# Altium PCB top_INA2180.PcbDoc (part 3 of 5)
Units mil, origin at the board's own origin, x right, y up, seen from the top; angles counter-clockwise.
Board outline 10480 x 5830 mil, 2 copper layers (Top Layer, Bottom Layer); 635 components, 633 nets, 1722 pads, 292 vias.
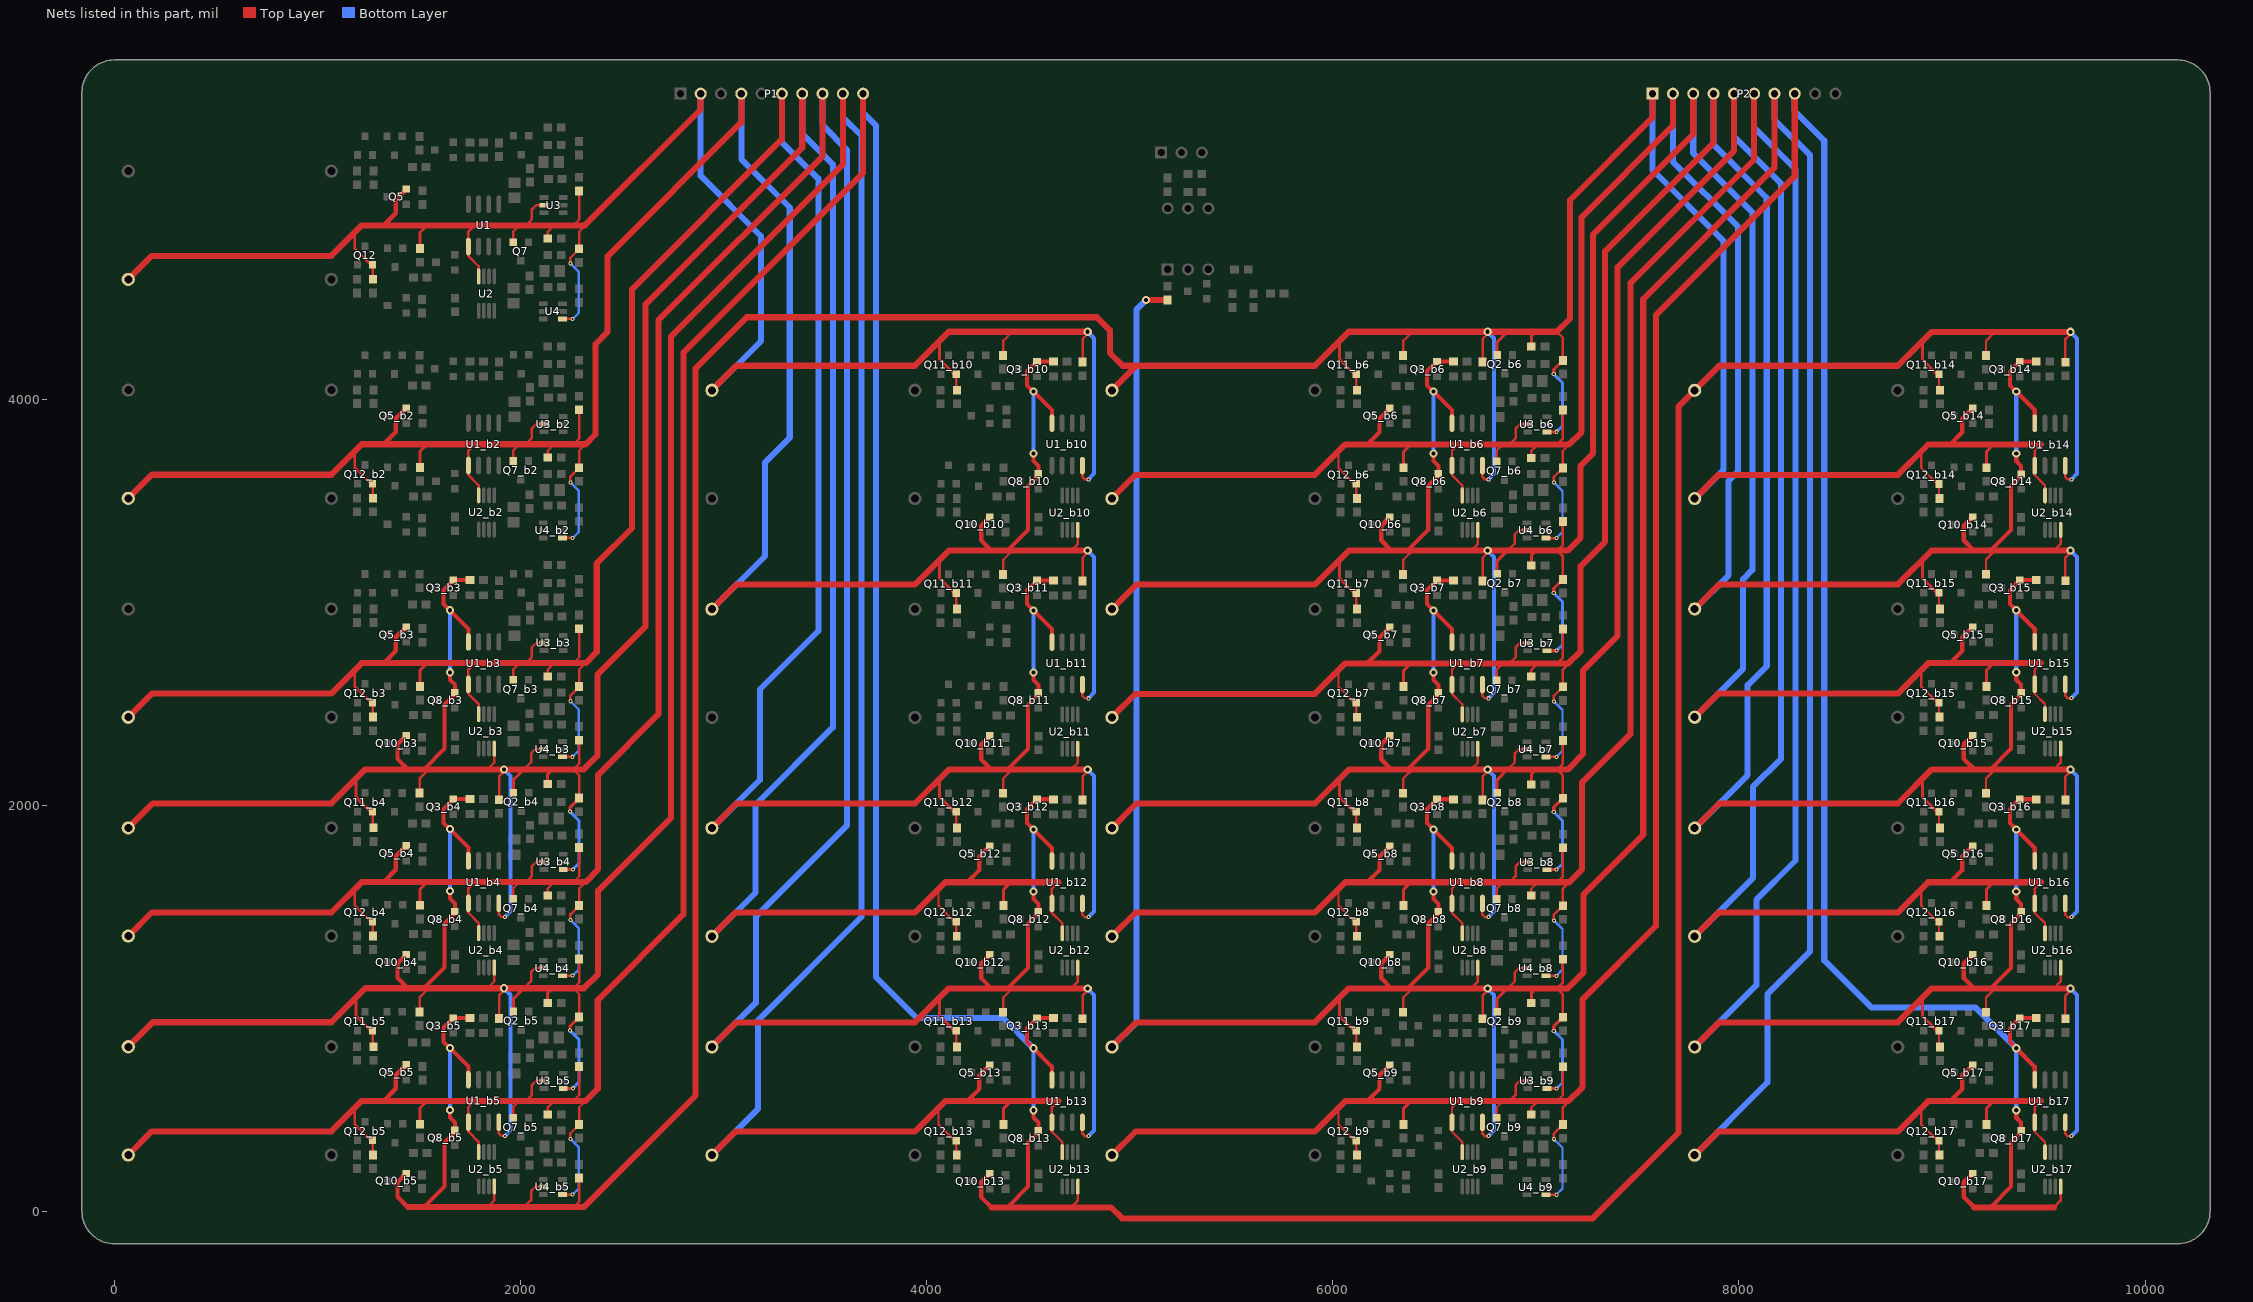
[diagram p3: the nets of this part, all layers, seen from the top]

## Via types
v1: diameter 20, hole 10, Top Layer to Bottom Layer, 235 vias
v2: diameter 40, hole 20, Top Layer to Bottom Layer, 53 vias
v3: diameter 125.98, hole 125.98, Top Layer to Bottom Layer, 4 vias

## Nets (pads, with @x,y where several pads share a name; then routed paths per layer and width w, separated by ;. In a path a pad name is that pad's centre, name@x,y a point inside that pad or via, vN(x,y) a via of type N, cw(c..) or ccw(c..) an arc to the next point about the centre after c; other vN are vias at no path point) (continued)
IN_A3: P1.7 Q2_b4.2 Q3_b3.2 Q5_b12.2 Q8_b3.2 Q10_b3.2 Q11_b4.2 Q12_b12.2 R1_b4.2 R6_b4.2 R7_b4.2 R8_b4.2 R9_b4.2 R12_b3.1 R14_b12.2 R19_b12.2 R24_b3.1 R40_b4.1 R42_b12.1 U1_b3.4 U1_b4.8 U1_b12.5 U2_b3.4 U2_b12.8 U3_b4.4 U4_b3.2 | length 18305
  Top Layer w12: Q11_b4.2@1271.4,1968 1271.4,1893.32 R40_b4.1@1276,1888.72 ; R6_b4.2@1502.87,2059.46 1502.87,2131.79 1547.54,2176.46 1547.61,2176.54 ; 1836.8,2176.46 1836.87,2176.54 1870.25,2209.92 U2_b3.4@1870.25,2278.89 ; U1_b4.8@1892.87,1517.05 1892.87,1461.54 1904.87,1449.54 v1(1922.87,1449.54) ; R9_b4.2@1893.87,2027 1893.87,2141.54 1918.87,2166.54 1918.87,2176.46 v2(1918.87,2176.54) ; 2017.01,2176.46 2017.08,2176.54 2052.01,2211.46 2052.01,2255.93 2072.01,2275.93 U4_b3.2@2111.76,2275.93 ; 2259.25,2176.54 2259.32,2176.46 2288.87,2146.92 R8_b4.2@2288.87,2035 R8_b4.2@2288.4,2034.54 ; 2260.18,2176.46 2288.87,2205.15 R24_b3.1@2288.87,2320.07 ; 4057.99,1585.11 4057.99,1505.33 4137.25,1426.07 Q12_b12.2@4145.39,1426.07 4145.39,1357.4 R42_b12.1@4147.99,1354.8 ; 4647.86,1620.61 4616.86,1589.61 U1_b12.5@4616.86,1516.12 4616.86,1469.61 4667.47,1419 U2_b12.8@4667.47,1369.26
  Top Layer w15: 1190,2125.79 1190,2039.82 Q11_b4.2@1261.82,1968 ; Q2_b4.2@1965.61,2062.19 1965.61,2126.52 2015.55,2176.46 2015.62,2176.54 2016.01,2176.54 ; R7_b4.2@2133.54,2103.93 2133.54,2153.07 2154.01,2173.54 ; U3_b4.4@2210.25,1683.52 2257.61,1683.52 v1(2258.01,1683.93) ; v1(2244.01,1967.93) 2244.01,1990.14 R8_b4.2@2288.4,2034.54 ; R19_b12.2@4378.86,1506.07 4378.86,1585.61 4413.86,1620.61 4417.86,1620.61
  Top Layer w20: Q11_b4.2@1261.82,1968 Q11_b4.2@1271.4,1968 ; 1526.87,2179.07 1625.87,2278.07 1625.87,2495.09 1676.13,2545.35 Q8_b3.2@1676.13,2554.94 1676.13,2593.28 1651.73,2617.67 v2(1651.73,2654.54) ; U1_b3.4@1742.87,2804.02 1742.87,2868.8 v2(1651.73,2959.94) 1620.73,2990.94 1620.73,3060.08 Q3_b3.2@1668.99,3108.34 R12_b3.1@1749.87,3108.34
  Top Layer w22: Q10_b3.2@1437.13,2342.94 1393.87,2299.68 1393.87,2227.54 1444.87,2176.54 1444.94,2176.46 ; 4199.86,1620.61 4259.86,1680.61 4259.86,1747.75 Q5_b12.2@4311.12,1799.01
  Top Layer w30: R1_b4.2@68,1888.26 189.02,2009.28 1068,2009.28 1235.25,2176.54 1444.87,2176.54 1547.61,2176.54 1836.87,2176.54 v2(1918.87,2176.54) ; 1444.94,2176.46 1547.54,2176.46 1836.8,2176.46 1918.87,2176.46 2015.55,2176.46 2017.01,2176.46 2259.32,2176.46 2260.18,2176.46 2312,2176.46 2378,2242.46 2378,2643.08 2615.99,2881.07 2615.99,4466.97 3386.99,5237.97 P1.7@3386.99,5504.07 ; v2@1928.87,2176.54 2015.62,2176.54 ; 2016.01,2176.54 2017.08,2176.54 2259.25,2176.54 ; R14_b12.2@2941.99,1354.33 3058.27,1470.61 3941.99,1470.61 4091.99,1620.61 4199.86,1620.61 4413.86,1620.61 ; 4417.86,1620.61 4647.86,1620.61
  Bottom Layer w15: v1(2244.01,1967.93) 2287.01,1924.93 2287.01,1712.93 v1(2258.01,1683.93)
  Bottom Layer w20: v2(1651.73,2654.54) v2(1651.73,2959.94) ; v2(1918.87,2176.54) 1950.87,2144.54 1950.87,1477.54 v1(1922.87,1449.54)
  Bottom Layer w30: R14_b12.2@2941.99,1354.33 3156.99,1569.33 3156.99,2003.07 3537.57,2383.65 3537.57,5155.65 3386.99,5306.23 P1.7@3386.99,5504.07
IN_A4: P1.9 Q2_b5.2 Q3_b4.2 Q5_b13.2 Q8_b4.2 Q10_b4.2 Q11_b5.2 Q12_b13.2 R1_b5.2 R6_b5.2 R7_b5.2 R8_b5.2 R9_b5.2 R12_b4.1 R14_b13.2 R19_b13.2 R24_b4.1 R40_b5.1 R42_b13.1 U1_b4.4 U1_b5.8 U1_b13.5 U2_b4.4 U2_b13.8 U3_b5.4 U4_b4.2 | length 20578.1
  Top Layer w12: Q11_b5.2@1271.4,890 1271.4,815.32 R40_b5.1@1276,810.72 ; R6_b5.2@1502.87,981.46 1502.87,1053.79 1547.54,1098.46 1547.61,1098.54 ; 1836.8,1098.46 1836.87,1098.54 1870.25,1131.92 U2_b4.4@1870.25,1200.89 ; U1_b5.8@1892.87,439.05 1892.87,383.54 1904.87,371.54 v1(1922.87,371.54) ; R9_b5.2@1893.87,949 1893.87,1063.54 1918.87,1088.54 1918.87,1098.46 v2(1918.87,1098.54) ; 2017.01,1098.46 2017.08,1098.54 2052.01,1133.46 2052.01,1177.93 2072.01,1197.93 U4_b4.2@2111.76,1197.93 ; 2259.25,1098.54 2259.32,1098.46 2288.87,1068.92 R8_b5.2@2288.87,957 R8_b5.2@2288.4,956.54 ; 2260.18,1098.46 2288.87,1127.15 R24_b4.1@2288.87,1242.07 ; 4057.99,507.11 4057.99,427.33 4137.25,348.07 Q12_b13.2@4145.39,348.07 4145.39,279.4 R42_b13.1@4147.99,276.8 ; 4647.86,542.61 4616.86,511.61 U1_b13.5@4616.86,438.12 4616.86,391.61 4667.47,341 U2_b13.8@4667.47,291.26
  Top Layer w15: 1190,1047.79 1190,961.82 Q11_b5.2@1261.82,890 ; Q2_b5.2@1965.61,984.19 1965.61,1048.52 2015.55,1098.46 2015.62,1098.54 2016.01,1098.54 ; R7_b5.2@2133.54,1025.93 2133.54,1075.07 2154.01,1095.54 ; U3_b5.4@2210.25,605.52 2257.61,605.52 v1(2258.01,605.93) ; v1(2244.01,889.93) 2244.01,912.14 R8_b5.2@2288.4,956.54 ; R19_b13.2@4378.86,428.07 4378.86,507.61 4413.86,542.61 4417.86,542.61
  Top Layer w20: Q11_b5.2@1261.82,890 Q11_b5.2@1271.4,890 ; 1526.87,1101.07 1625.87,1200.07 1625.87,1417.09 1676.13,1467.35 Q8_b4.2@1676.13,1476.94 1676.13,1515.28 1651.73,1539.67 v2(1651.73,1576.54) ; U1_b4.4@1742.87,1726.02 1742.87,1790.8 v2(1651.73,1881.94) 1620.73,1912.94 1620.73,1982.08 Q3_b4.2@1668.99,2030.34 R12_b4.1@1749.87,2030.34
  Top Layer w22: Q10_b4.2@1437.13,1264.94 1393.87,1221.68 1393.87,1149.54 1444.87,1098.54 1444.94,1098.46 ; 4199.86,542.61 4259.86,602.61 4259.86,669.75 Q5_b13.2@4311.12,721.01
  Top Layer w30: R1_b5.2@68,810.26 189.02,931.28 1068,931.28 1235.25,1098.54 1444.87,1098.54 1547.61,1098.54 1836.87,1098.54 v2(1918.87,1098.54) ; 1444.94,1098.46 1547.54,1098.46 1836.8,1098.46 1918.87,1098.46 2015.55,1098.46 2017.01,1098.46 2259.32,1098.46 2260.18,1098.46 2312,1098.46 2382,1168.46 2382,1579.08 2740.99,1938.07 2740.99,4309.12 3586.99,5155.12 P1.9@3586.99,5504.07 ; v2@1928.87,1098.54 2015.62,1098.54 ; 2016.01,1098.54 2017.08,1098.54 2259.25,1098.54 ; R14_b13.2@2941.99,276.33 3058.27,392.61 3941.99,392.61 4091.99,542.61 4199.86,542.61 4413.86,542.61 ; 4417.86,542.61 4647.86,542.61
  Bottom Layer w15: v1(2244.01,889.93) 2287.01,846.93 2287.01,634.93 v1(2258.01,605.93)
  Bottom Layer w20: v2(1651.73,1576.54) v2(1651.73,1881.94) ; v2(1918.87,1098.54) 1950.87,1066.54 1950.87,399.54 v1(1922.87,371.54)
  Bottom Layer w30: R14_b13.2@2941.99,276.33 3169.99,504.33 3169.99,941.07 3678.99,1450.07 3678.99,5297.07 3586.99,5389.07 P1.9@3586.99,5504.07
IN_A5: P2.1 Q2_b6.2 Q3_b5.2 Q5_b14.2 Q8_b5.2 Q10_b5.2 Q11_b6.2 Q12_b14.2 R1_b6.2 R6_b6.2 R7_b6.2 R8_b6.2 R9_b6.2 R12_b5.1 R14_b14.2 R19_b14.2 R24_b5.1 R40_b6.1 R42_b14.1 U1_b5.4 U1_b6.8 U1_b14.5 U2_b5.4 U2_b14.8 U3_b6.4 U4_b5.2 | length 20437.6
  Top Layer w12: 1836.8,20.46 1870.25,53.92 U2_b5.4@1870.25,122.89 ; 2017.01,20.46 2052.01,55.46 2052.01,99.93 2072.01,119.93 U4_b5.2@2111.76,119.93 ; 2260.18,20.46 2288.87,49.15 R24_b5.1@2288.87,164.07 ; Q11_b6.2@6115.39,4123.07 6115.39,4048.4 R40_b6.1@6119.99,4043.8 ; R6_b6.2@6346.86,4214.54 6346.86,4286.86 6391.61,4331.61 ; U1_b6.8@6736.86,3672.12 6736.86,3616.61 6748.86,3604.61 v1(6766.86,3604.61) ; R9_b6.2@6737.86,4182.07 6737.86,4296.61 6762.86,4321.61 v2(6762.86,4331.61) ; 7103.24,4331.61 7132.86,4301.99 R8_b6.2@7132.86,4190.07 R8_b6.2@7132.39,4189.61 ; 8897.99,3740.85 8897.99,3661.07 8977.25,3581.81 Q12_b14.2@8985.39,3581.81 8985.39,3513.14 R42_b14.1@8987.99,3510.54 ; 9487.86,3776.35 9456.86,3745.35 U1_b14.5@9456.86,3671.86 9456.86,3625.35 9507.47,3574.74 U2_b14.8@9507.47,3525
  Top Layer w15: 6033.99,4280.86 6033.99,4194.89 Q11_b6.2@6105.81,4123.07 ; Q2_b6.2@6809.6,4217.26 6809.6,4281.6 6859.61,4331.61 6860,4331.61 ; R7_b6.2@6977.54,4259 6977.54,4308.14 6998,4328.61 ; U3_b6.4@7054.24,3838.6 7101.6,3838.6 v1(7102,3839) ; v1(7088,4123) 7088,4145.22 R8_b6.2@7132.39,4189.61 ; R19_b14.2@9218.86,3661.81 9218.86,3741.35 9253.86,3776.35 9257.86,3776.35
  Top Layer w20: 1526.87,23.07 1625.87,122.07 1625.87,339.09 1676.13,389.35 Q8_b5.2@1676.13,398.94 1676.13,437.28 1651.73,461.67 v2(1651.73,498.54) ; U1_b5.4@1742.87,648.02 1742.87,712.8 v2(1651.73,803.94) 1620.73,834.94 1620.73,904.08 Q3_b5.2@1668.99,952.34 R12_b5.1@1749.87,952.34 ; Q11_b6.2@6105.81,4123.07 Q11_b6.2@6115.39,4123.07
  Top Layer w22: Q10_b5.2@1437.13,186.94 1393.87,143.68 1393.87,71.54 1444.94,20.46 ; 9039.86,3776.35 9099.86,3836.35 9099.86,3903.49 Q5_b14.2@9151.12,3954.75
  Top Layer w30: 1444.94,20.46 1836.8,20.46 2017.01,20.46 2260.18,20.46 2312,20.46 2862,570.46 2862,4151 3114,4403 4838,4403 4902,4339 4902,4227 4964.64,4164.36 5033.02,4164.36 ; R1_b6.2@4911.99,4043.33 5033.02,4164.36 ; v2(6762.86,4331.61) 6391.61,4331.61 6079.24,4331.61 5911.99,4164.36 5033.02,4164.36 ; v2@6772.86,4331.61 6859.61,4331.61 ; 6860,4331.61 7103.24,4331.61 7167.99,4396.36 7167.99,4980.07 7574.99,5387.07 P2.1@7574.99,5504.07 ; R14_b14.2@7781.99,3510.07 7898.27,3626.35 8781.99,3626.35 8931.99,3776.35 9039.86,3776.35 9253.86,3776.35 ; 9257.86,3776.35 9487.86,3776.35
  Bottom Layer w15: v1(7088,4123) 7131,4080 7131,3868 v1(7102,3839)
  Bottom Layer w20: v2(1651.73,498.54) v2(1651.73,803.94) ; v2(6762.86,4331.61) 6794.86,4299.61 6794.86,3632.61 v1(6766.86,3604.61)
  Bottom Layer w30: P2.1@7574.99,5504.07 7574.99,5128.12 7925.02,4778.1 7925.02,3653.1 R14_b14.2@7781.99,3510.07
IN_A6: P2.3 Q2_b7.2 Q3_b6.2 Q5_b15.2 Q8_b6.2 Q10_b6.2 Q11_b7.2 Q12_b15.2 R1_b7.2 R6_b7.2 R7_b7.2 R8_b7.2 R9_b7.2 R12_b6.1 R14_b15.2 R19_b15.2 R24_b6.1 R40_b7.1 R42_b15.1 U1_b6.4 U1_b7.8 U1_b15.5 U2_b6.4 U2_b15.8 U3_b7.4 U4_b6.2 | length 15889.5
  Top Layer w12: Q11_b7.2@6115.39,3045.07 6115.39,2970.4 R40_b7.1@6119.99,2965.8 ; R6_b7.2@6346.86,3136.54 6346.86,3208.86 6391.54,3253.54 6391.61,3253.61 ; 6680.79,3253.54 6680.86,3253.61 6714.24,3287 U2_b6.4@6714.24,3355.96 ; U1_b7.8@6736.86,2594.12 6736.86,2538.61 6748.86,2526.61 v1(6766.86,2526.61) ; R9_b7.2@6737.86,3104.07 6737.86,3218.61 6762.86,3243.61 v2(6762.86,3253.61) v2(6762.86,3253.61) ; 6861,3253.54 6861.07,3253.61 6896,3288.54 6896,3333 6916,3353 U4_b6.2@6955.76,3353 ; 7103.24,3253.61 7103.31,3253.54 7132.86,3223.99 R8_b7.2@7132.86,3112.07 R8_b7.2@7132.39,3111.61 ; 7104.17,3253.54 7132.86,3282.22 R24_b6.1@7132.86,3397.14 ; 8897.99,2664.11 8897.99,2584.33 8977.25,2505.07 Q12_b15.2@8985.39,2505.07 8985.39,2436.4 R42_b15.1@8987.99,2433.8 ; 9487.86,2699.61 9456.86,2668.61 U1_b15.5@9456.86,2595.12 9456.86,2548.61 9507.47,2498 U2_b15.8@9507.47,2448.26
  Top Layer w15: 6033.99,3202.86 6033.99,3116.89 Q11_b7.2@6105.81,3045.07 ; Q2_b7.2@6809.6,3139.26 6809.6,3203.6 6859.54,3253.54 6859.61,3253.61 6860,3253.61 ; R7_b7.2@6977.54,3181 6977.54,3230.14 6998,3250.61 ; U3_b7.4@7054.24,2760.6 7101.6,2760.6 v1(7102,2761) ; v1(7088,3045) 7088,3067.22 R8_b7.2@7132.39,3111.61 ; R19_b15.2@9218.86,2585.07 9218.86,2664.61 9253.86,2699.61 9257.86,2699.61
  Top Layer w20: Q11_b7.2@6105.81,3045.07 Q11_b7.2@6115.39,3045.07 ; 6370.86,3256.14 6469.86,3355.14 6469.86,3572.17 6520.12,3622.43 Q8_b6.2@6520.12,3632.01 6520.12,3670.35 6495.72,3694.74 v2(6495.72,3731.61) ; U1_b6.4@6586.86,3881.1 6586.86,3945.88 v2(6495.72,4037.01) 6464.72,4068.01 6464.72,4137.15 Q3_b6.2@6512.98,4185.41 R12_b6.1@6593.86,4185.41
  Top Layer w22: Q10_b6.2@6281.12,3420.01 6237.86,3376.75 6237.86,3304.61 6288.86,3253.61 6288.93,3253.54 ; 9039.86,2699.61 9099.86,2759.61 9099.86,2826.75 Q5_b15.2@9151.12,2878.01
  Top Layer w30: R1_b7.2@4911.99,2965.33 5033.02,3086.36 5911.99,3086.36 6079.24,3253.61 6288.86,3253.61 6391.61,3253.61 6680.86,3253.61 v2(6762.86,3253.61) ; 6288.93,3253.54 6391.54,3253.54 6680.79,3253.54 v2(6762.86,3253.61) 6859.54,3253.54 6861,3253.54 7103.31,3253.54 7104.17,3253.54 7155.99,3253.54 7220,3317.55 7220,3672.08 7281.99,3734.07 7281.99,4811.23 7774.99,5304.23 P2.3@7774.99,5504.07 ; v2@6772.86,3253.61 6859.61,3253.61 ; 6860,3253.61 6861.07,3253.61 7103.24,3253.61 ; R14_b15.2@7781.99,2433.33 7898.27,2549.61 8781.99,2549.61 8931.99,2699.61 9039.86,2699.61 9253.86,2699.61 ; 9257.86,2699.61 9487.86,2699.61
  Bottom Layer w15: v1(7088,3045) 7131,3002 7131,2790 v1(7102,2761)
  Bottom Layer w20: v2(6495.72,3731.61) v2(6495.72,4037.01) ; v2(6762.86,3253.61) 6794.86,3221.61 6794.86,2554.61 v1(6766.86,2526.61)
  Bottom Layer w30: P2.3@7774.99,5504.07 7774.99,5210.97 8066.44,4919.52 8066.44,3158.52 8020.99,3113.07 8020.99,2672.33 R14_b15.2@7781.99,2433.33
IN_A7: P2.5 Q2_b8.2 Q3_b7.2 Q5_b16.2 Q8_b7.2 Q10_b7.2 Q11_b8.2 Q12_b16.2 R1_b8.2 R6_b8.2 R7_b8.2 R8_b8.2 R9_b8.2 R12_b7.1 R14_b16.2 R19_b16.2 R24_b7.1 R40_b8.1 R42_b16.1 U1_b7.4 U1_b8.8 U1_b16.5 U2_b7.4 U2_b16.8 U3_b8.4 U4_b7.2 | length 18163.7
  Top Layer w12: Q11_b8.2@6115.39,1967.07 6115.39,1892.4 R40_b8.1@6119.99,1887.8 ; R6_b8.2@6346.86,2058.54 6346.86,2130.86 6391.54,2175.54 6391.61,2175.61 ; 6680.79,2175.54 6680.86,2175.61 6714.24,2209 U2_b7.4@6714.24,2277.96 ; U1_b8.8@6736.86,1516.12 6736.86,1460.61 6748.86,1448.61 v1(6766.86,1448.61) ; R9_b8.2@6737.86,2026.07 6737.86,2140.61 6762.86,2165.61 v2(6762.86,2175.61) v2(6762.86,2175.61) ; 6861,2175.54 6861.07,2175.61 6896,2210.54 6896,2255 6916,2275 U4_b7.2@6955.76,2275 ; 7103.24,2175.61 7103.31,2175.54 7132.86,2145.99 R8_b8.2@7132.86,2034.07 R8_b8.2@7132.39,2033.61 ; 7104.17,2175.54 7132.86,2204.22 R24_b7.1@7132.86,2319.14 ; 8897.99,1585.11 8897.99,1505.33 8977.25,1426.07 Q12_b16.2@8985.39,1426.07 8985.39,1357.4 R42_b16.1@8987.99,1354.8 ; 9487.86,1620.61 9456.86,1589.61 U1_b16.5@9456.86,1516.12 9456.86,1469.61 9507.47,1419 U2_b16.8@9507.47,1369.26
  Top Layer w15: 6033.99,2124.86 6033.99,2038.89 Q11_b8.2@6105.81,1967.07 ; Q2_b8.2@6809.6,2061.26 6809.6,2125.6 6859.54,2175.54 6859.61,2175.61 6860,2175.61 ; R7_b8.2@6977.54,2103 6977.54,2152.14 6998,2172.61 ; U3_b8.4@7054.24,1682.6 7101.6,1682.6 v1(7102,1683) ; v1(7088,1967) 7088,1989.22 R8_b8.2@7132.39,2033.61 ; R19_b16.2@9218.86,1506.07 9218.86,1585.61 9253.86,1620.61 9257.86,1620.61
  Top Layer w20: Q11_b8.2@6105.81,1967.07 Q11_b8.2@6115.39,1967.07 ; 6370.86,2178.14 6469.86,2277.14 6469.86,2494.17 6520.12,2544.43 Q8_b7.2@6520.12,2554.01 6520.12,2592.35 6495.72,2616.74 v2(6495.72,2653.61) ; U1_b7.4@6586.86,2803.1 6586.86,2867.88 v2(6495.72,2959.01) 6464.72,2990.01 6464.72,3059.15 Q3_b7.2@6512.98,3107.41 R12_b7.1@6593.86,3107.41
  Top Layer w22: Q10_b7.2@6281.12,2342.01 6237.86,2298.75 6237.86,2226.61 6288.86,2175.61 6288.93,2175.54 ; 9039.86,1620.61 9099.86,1680.61 9099.86,1747.75 Q5_b16.2@9151.12,1799.01
  Top Layer w30: R1_b8.2@4911.99,1887.33 5033.02,2008.36 5911.99,2008.36 6079.24,2175.61 6288.86,2175.61 6391.61,2175.61 6680.86,2175.61 v2(6762.86,2175.61) ; 6288.93,2175.54 6391.54,2175.54 6680.79,2175.54 v2(6762.86,2175.61) 6859.54,2175.54 6861,2175.54 7103.31,2175.54 7104.17,2175.54 7155.99,2175.54 7233,2252.55 7233,2664.08 7402.99,2834.07 7402.99,4649.39 7974.99,5221.39 P2.5@7974.99,5504.07 ; v2@6772.86,2175.61 6859.61,2175.61 ; 6860,2175.61 6861.07,2175.61 7103.24,2175.61 ; R14_b16.2@7781.99,1354.33 7898.27,1470.61 8781.99,1470.61 8931.99,1620.61 9039.86,1620.61 9253.86,1620.61 ; 9257.86,1620.61 9487.86,1620.61
  Bottom Layer w15: v1(7088,1967) 7131,1924 7131,1712 v1(7102,1683)
  Bottom Layer w20: v2(6495.72,2653.61) v2(6495.72,2959.01) ; v2(6762.86,2175.61) 6794.86,2143.61 6794.86,1476.61 v1(6766.86,1448.61)
  Bottom Layer w30: R14_b16.2@7781.99,1354.33 8068.99,1641.33 8068.99,2090.07 8207.86,2228.94 8207.86,5060.94 7974.99,5293.81 P2.5@7974.99,5504.07
IN_A8: P2.7 Q2_b9.2 Q3_b8.2 Q5_b17.2 Q8_b8.2 Q10_b8.2 Q11_b9.2 Q12_b17.2 R1_b9.2 R6_b9.2 R7_b9.2 R8_b9.2 R9_b9.2 R12_b8.1 R14_b17.2 R19_b17.2 R24_b8.1 R25.1 R40_b9.1 R42_b17.1 U1_b8.4 U1_b9.8 U1_b17.5 U2_b8.4 U2_b17.8 U3_b9.4 U4_b8.2 | length 24291.3
  Top Layer w12: Q11_b9.2@6115.39,889.07 6115.39,814.4 R40_b9.1@6119.99,809.8 ; R6_b9.2@6346.86,980.54 6346.86,1052.86 6391.54,1097.54 6391.61,1097.61 ; 6680.79,1097.54 6680.86,1097.61 6714.24,1131 U2_b8.4@6714.24,1199.96 ; U1_b9.8@6736.86,438.12 6736.86,382.61 6748.86,370.61 v1(6766.86,370.61) ; R9_b9.2@6737.86,948.07 6737.86,1062.61 6762.86,1087.61 v2(6762.86,1097.61) v2(6762.86,1097.61) ; 6861,1097.54 6861.07,1097.61 6896,1132.54 6896,1177 6916,1197 U4_b8.2@6955.76,1197 ; 7103.24,1097.61 7103.31,1097.54 7132.86,1067.99 R8_b9.2@7132.86,956.07 R8_b9.2@7132.39,955.61 ; 7104.17,1097.54 7132.86,1126.22 R24_b8.1@7132.86,1241.14 ; 8897.99,507.11 8897.99,427.33 8977.25,348.07 Q12_b17.2@8985.39,348.07 8985.39,279.4 R42_b17.1@8987.99,276.8 ; 9487.86,542.61 9456.86,511.61 U1_b17.5@9456.86,438.12 9456.86,391.61 9507.47,341 U2_b17.8@9507.47,291.26
  Top Layer w15: 6033.99,1046.86 6033.99,960.89 Q11_b9.2@6105.81,889.07 ; Q2_b9.2@6809.6,983.26 6809.6,1047.6 6859.54,1097.54 6859.61,1097.61 6860,1097.61 ; R7_b9.2@6977.54,1025 6977.54,1074.14 6998,1094.61 ; U3_b9.4@7054.24,604.6 7101.6,604.6 v1(7102,605) ; v1(7088,889) 7088,911.22 R8_b9.2@7132.39,955.61 ; R19_b17.2@9218.86,428.07 9218.86,507.61 9253.86,542.61 9257.86,542.61
  Top Layer w20: Q11_b9.2@6105.81,889.07 Q11_b9.2@6115.39,889.07 ; 6370.86,1100.14 6469.86,1199.14 6469.86,1416.17 6520.12,1466.43 Q8_b8.2@6520.12,1476.01 6520.12,1514.35 6495.72,1538.74 v2(6495.72,1575.61) ; U1_b8.4@6586.86,1725.1 6586.86,1789.88 v2(6495.72,1881.01) 6464.72,1912.01 6464.72,1981.15 Q3_b8.2@6512.98,2029.41 R12_b8.1@6593.86,2029.41
  Top Layer w22: Q10_b8.2@6281.12,1264.01 6237.86,1220.75 6237.86,1148.61 6288.86,1097.61 6288.93,1097.54 ; 9039.86,542.61 9099.86,602.61 9099.86,669.75 Q5_b17.2@9151.12,721.01
  Top Layer w30: R1_b9.2@4911.99,809.33 5033.02,930.36 5911.99,930.36 6079.24,1097.61 6288.86,1097.61 6391.61,1097.61 6680.86,1097.61 v2(6762.86,1097.61) ; v2(5080.61,4488.61) R25.1@5185.99,4488.61 ; 6288.93,1097.54 6391.54,1097.54 6680.79,1097.54 v2(6762.86,1097.61) 6859.54,1097.54 6861,1097.54 7103.31,1097.54 7104.17,1097.54 7155.99,1097.54 7235,1176.55 7235,1561.08 7528.99,1855.07 7528.99,4492.55 8174.99,5138.55 P2.7@8174.99,5504.07 ; v2@6772.86,1097.61 6859.61,1097.61 ; 6860,1097.61 6861.07,1097.61 7103.24,1097.61 ; R14_b17.2@7781.99,276.33 7898.27,392.61 8781.99,392.61 8931.99,542.61 9039.86,542.61 9253.86,542.61 ; 9257.86,542.61 9487.86,542.61
  Bottom Layer w15: v1(7088,889) 7131,846 7131,634 v1(7102,605)
  Bottom Layer w20: v2(6495.72,1575.61) v2(6495.72,1881.01) ; v2(6762.86,1097.61) 6794.86,1065.61 6794.86,398.61 v1(6766.86,370.61)
  Bottom Layer w30: R1_b9.2@4911.99,809.33 5034,931.34 5034,4442 v2(5080.61,4488.61) ; R14_b17.2@7781.99,276.33 8139.99,634.33 8139.99,1070.07 8349.28,1279.36 8349.28,5202.36 8174.99,5376.65 P2.7@8174.99,5504.07
IN_A9: P1.2 Q5.2 Q7.2 Q11_b10.2 Q12.2 R1_b10.2 R6_b10.2 R9_b10.2 R13.1 R14.2 R19.2 R20.2 R21.2 R40_b10.1 R42.1 U1.5 U1_b10.8 U2.8 U3.2 U4.4 | length 10310.1